# Altium PCB MB1297.PcbDoc (part 3 of 4)
Units mm, origin at the board's own origin, x right, y up, seen from the top; angles counter-clockwise.
Board outline 90.1 x 62.11 mm, 4 copper layers (Top Layer, GND, POWER+GND, Bottom Layer), stack 0.778 mm thick; 235 components, 175 nets, 1727 pads, 1 vias.
Unrouted connection lines stored in the file: 1.
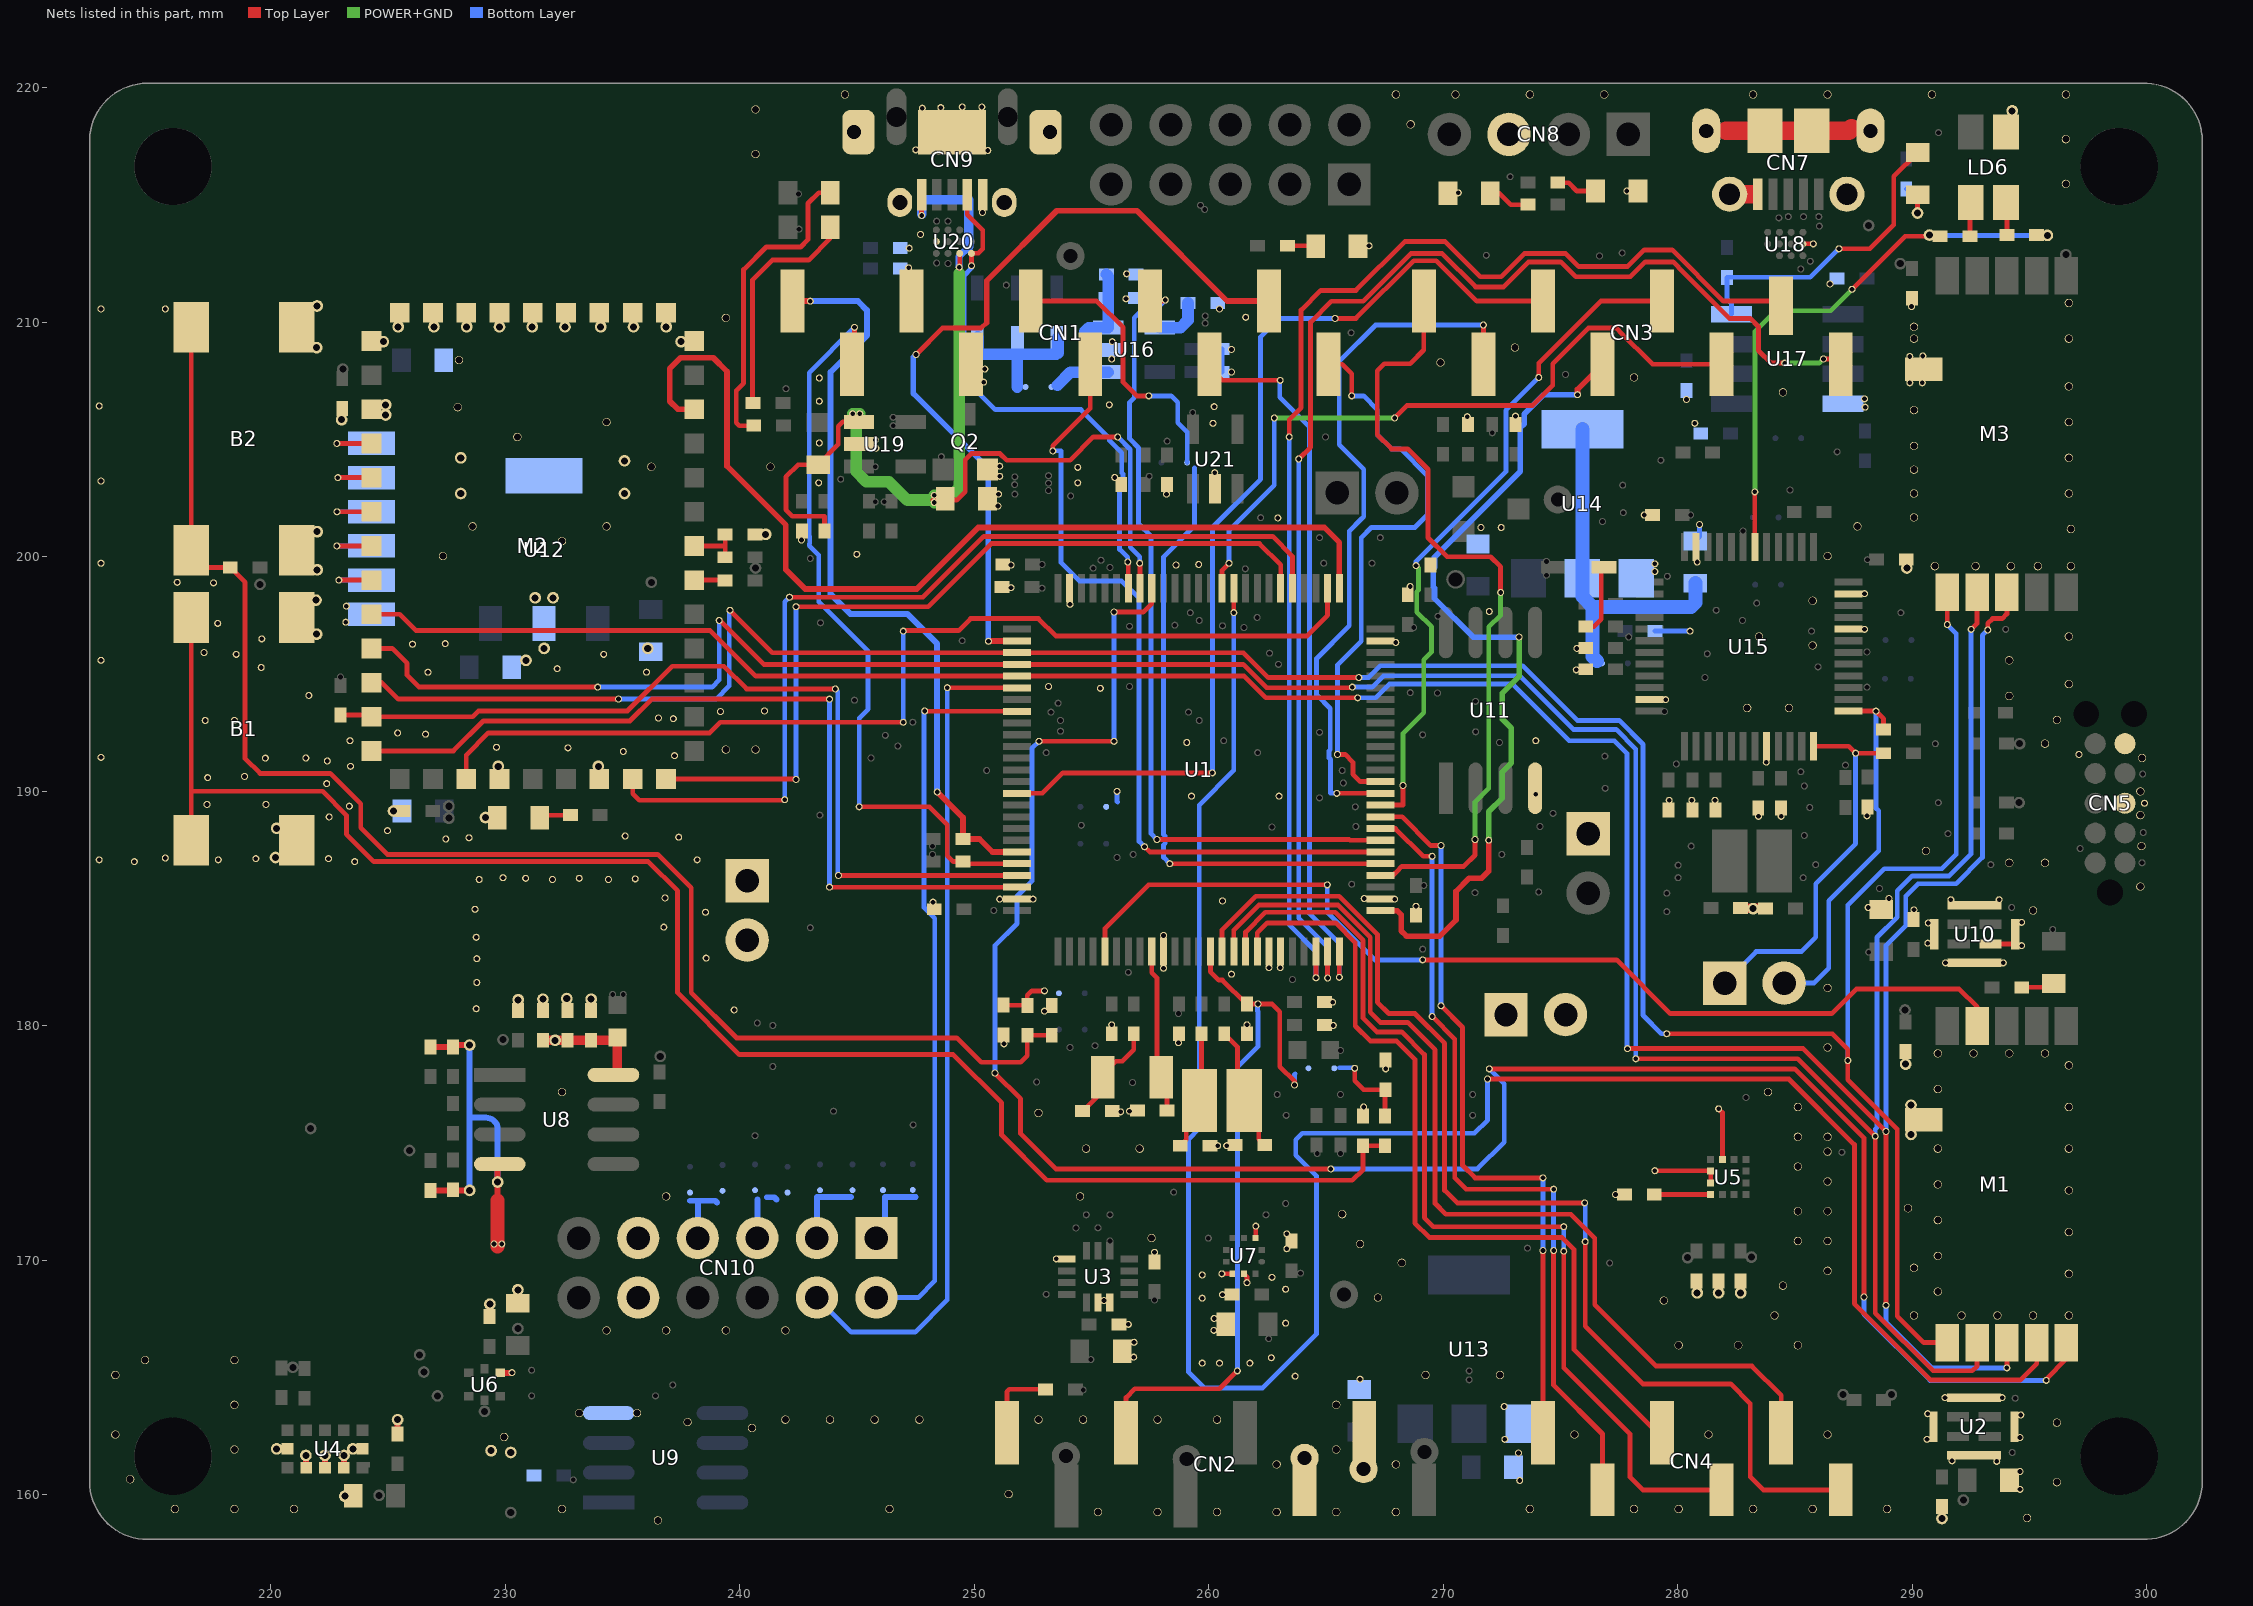
[diagram p5: the nets of this part, all layers, seen from the top]

## Via types
v1: diameter 0.4, hole 0.2, Top Layer to Bottom Layer, tented both sides, 1 vias

## Nets (pads, with @x,y where several pads share a name; then routed paths per layer and width w, separated by ;. In a path a pad name is that pad's centre, name@x,y a point inside that pad or via, vN(x,y) a via of type N, cw(c..) or ccw(c..) an arc to the next point about the centre after c; other vN are vias at no path point) (continued)
GND: B1.2 B2.2 C1.2 C2.2 C3.1 C4.2 C5.2 C6.1 C7.2 C8.1 C9.2 C10.2 C11.2 C12.2 C13.2 C14.2 C15.2 C16.2 C17.1 C18.2 C19.2 C20.2 C21.2 C22.2 C23.2 C24.2 C25.2 C26.2 C27.2 C28.2 C29.2 C30.2 C31.2 C32.2 C33.2 C34.2 C35.2 C36.2 C37.2 C38.2 C39.2 C40.2 C41.2 C42.2 C43.2 C44.2 C45.2 C46.2 C47.2 C48.2 C49.2 C50.2 C51.1 C52.1 C53.2 C54.2 C55.2 C56.2 C57.2 C58.2 C59.2 C60.2 C61.2 C62.2 C63.2 C64.2 C65.2 C66.2 C67.2 C68.2 C69.2 C71.2 C72.2 C73.2 C74.2 C75.2 C76.2 CN1.7 CN2.6 CN2.7 CN5.3 CN5.5 CN7.5 CN7.6 CN7.7 CN7.8 CN7.9 CN7.10 CN7.11 CN8.3 CN9.5 CN9.6 CN9.7 CN9.8 CN9.9 CN9.10 CN10.5 CN10.11 JP6.1 JP6.2 JP7.1 JP7.2 JP8.1 LD1.K LD2.K LD3.K LD5.K LD6.1 M1.6 M2.1 M2.3 M2.17 M2.20 M2.35 M2.36 M2.37 M2.38 M2.39 M2.40 M2.41 M2.42 M2.43 M2.44 M3.6 pad.0@212.75,210.566 pad.0@229.387,161.874 pad.1@215.494,210.566 pad.1@230.226,161.798 pad.2@212.674,187.071 pad.2@229.337,168.123 pad.2@230.53,168.732 pad.3@215.494,187.147 pad.3@229.146,188.874 pad.4@214.173,186.995 pad.5@212.75,191.44 pad.5@223.152,159.931 pad.5@279.476,193.904 pad.6@212.75,195.58 pad.6@223.215,197.891 pad.6@231.648,196.088 pad.6@287.96,198.425 pad.7@212.75,199.72 pad.7@223.19,197.206 pad.7@223.491,161.95 pad.7@231.267,198.247 pad.7@287.96,196.901 pad.8@212.75,203.225 pad.8@223.114,161.671 pad.8@232.029,198.247 pad.8@247.701,213.741 pad.8@283.769,191.237 pad.9@212.674,206.426 pad.9@222.301,161.671 pad.9@228.092,204.216 pad.10@217.551,198.882 pad.10@221.488,161.671 pad.10@228.092,202.692 pad.10@280.822,199.771 pad.11@216.002,198.907 pad.11@220.243,161.95 pad.11@235.077,204.089 pad.11@278.562,201.778 pad.12@217.729,197.155 pad.12@225.4,163.195 pad.12@235.077,202.692 pad.13@217.297,190.576 pad.14@218.872,190.627 pad.15@217.195,193.015 pad.15@275.692,196.088 pad.15@285.776,213.34 pad.16@218.44,193.015 pad.16@224.79,209.169 pad.16@275.666,195.174 pad.17@217.145,195.91 pad.17@225.425,209.804 pad.18@218.516,195.834 pad.18@226.949,209.804 pad.19@222.377,190.322 pad.19@228.346,209.804 pad.19@289.966,210.668 pad.20@223.342,189.357 pad.20@229.743,209.804 pad.21@217.754,187.071 pad.21@231.14,209.804 pad.22@219.354,187.122 pad.22@232.537,209.804 pad.23@217.272,189.433 pad.23@234.061,209.804 pad.24@219.786,189.433 pad.24@228.473,179.172 pad.24@235.458,209.804 pad.25@222.479,188.9 pad.25@228.473,172.974 pad.25@236.855,209.804 pad.26@222.453,187.122 pad.26@229.667,173.33 pad.26@237.49,209.169 pad.27@223.571,186.995 pad.27@230.543,181.102 pad.28@228.879,186.233 pad.28@231.597,181.127 pad.28@241.097,200.952 pad.29@228.752,180.721 pad.29@232.613,181.153 pad.29@247.218,213.157 pad.30@228.778,181.839 pad.30@233.655,181.127 pad.31@228.778,182.855 pad.32@228.752,183.769 pad.33@228.702,184.963 pad.34@229.895,186.309 pad.35@230.861,186.284 pad.36@232.004,186.233 pad.37@233.147,186.284 pad.37@260.553,169.418 pad.38@234.391,186.233 pad.38@261.62,169.037 pad.39@235.534,186.258 pad.39@291.262,158.979 pad.40@236.753,184.201 pad.41@236.804,185.445 pad.41@262.001,171.45 pad.42@224.968,188.316 pad.43@227.457,187.96 pad.43@260.579,168.529 pad.44@228.448,188.011 pad.44@260.223,167.513 pad.45@235.102,188.087 pad.45@260.21,167.005 pad.45@266.598,176.53 pad.45@299.898,189.484 pad.46@237.388,188.036 pad.46@267.538,178.156 pad.46@297.104,191.567 pad.47@238.176,187.071 pad.48@238.531,184.836 pad.48@264.083,161.568 pad.48@266.597,161.086 pad.49@238.557,182.88 pad.50@239.751,180.67 pad.50@256.807,166.497 pad.51@229.616,191.872 pad.51@256.794,165.862 pad.52@232.664,191.846 pad.52@256.565,167.259 pad.53@235.026,191.694 pad.54@237.211,191.516 pad.54@257.683,170.332 pad.55@236.525,193.116 pad.55@255.524,168.275 pad.55@256.083,189.992 pad.56@230.276,165.202 pad.56@237.16,193.091 pad.56@289.941,176.606 pad.57@229.845,170.688 pad.57@239.166,193.396 pad.57@253.492,170.053 pad.57@289.941,175.362 pad.58@229.514,170.688 pad.58@241.046,193.421 pad.58@289.712,178.359 pad.59@236.017,195.072 pad.59@266.827,213.258 pad.59@289.89,208.534 pad.60@232.207,195.224 pad.60@290.449,208.559 pad.61@234.188,195.834 pad.61@266.624,185.42 pad.61@289.89,207.416 pad.62@226.695,195.072 pad.62@267.919,185.395 pad.62@290.424,207.416 pad.63@227.432,196.291 pad.63@268.834,185.09 pad.63@280.365,206.705 pad.64@226.035,196.266 pad.64@256.489,212.065 pad.64@273.939,192.151 pad.64@280.721,205.689 pad.65@219.761,191.409 pad.65@256.464,210.998 pad.65@273.939,189.865 pad.65@287.96,206.731 pad.66 pad.67@221.615,194.081 pad.67@260.96,207.874 pad.68@219.583,195.275 pad.69@219.608,196.494 pad.69@262.56,182.474 pad.69@267.97,196.342 pad.70@222.402,191.287 pad.70@272.618,162.357 pad.70@280.822,168.605 pad.71@223.393,191.059 pad.71@272.593,163.754 pad.71@281.737,168.605 pad.72@223.368,192.151 pad.72@273.202,161.773 pad.72@282.677,168.605 pad.73@225.4,192.481 pad.73@273.253,160.604 pad.74@226.593,192.43 pad.74@272.466,201.244 pad.75@255.372,194.386 pad.75@271.602,201.244 pad.76@253.162,194.462 pad.76@288.112,185.039 pad.77@289.001,185.42 pad.78@290.068,184.937 pad.80@290.678,184.379 pad.81@289.763,199.517 pad.81@290.659,183.515 pad.82@247.777,219.126 pad.82@283.21,184.988 pad.82@291.643,185.369 pad.83@248.564,219.151 pad.83@293.7,185.369 pad.84@223.012,205.842 pad.84@250.317,219.177 pad.84@294.659,184.404 pad.85@224.892,206.477 pad.85@250.571,217.322 pad.85@294.659,183.413 pad.86@224.892,206.045 pad.86@247.498,217.348 pad.86@291.414,182.677 pad.87@249.479,219.177 pad.87@293.878,182.677 pad.88@230.873,195.58 pad.88@250.342,214.681 pad.89@236.068,196.088 pad.89@250.444,208.001 pad.89@291.389,164.135 pad.90@250.393,207.442 pad.90@293.827,164.135 pad.91@225.222,189.154 pad.91@279.019,173.812 pad.91@294.625,163.398 pad.92@229.692,191.059 pad.92@281.737,176.454 pad.92@294.589,162.433 pad.93@233.959,191.059 pad.93@251.257,179.222 pad.94@220.243,188.417 pad.94@252.984,180.619 pad.95@220.193,187.173 pad.95@290.652,163.449 pad.96 pad.97@221.945,196.698 pad.97@254.076,197.968 pad.97@291.694,161.442 pad.98 pad.99@221.971,199.441 pad.99@294.589,160.985 pad.100 pad.101@221.945,208.915 pad.101@266.446,164.922 pad.105@263.271,168.758 pad.106@263.271,167.31 pad.106@288.061,188.951 pad.107@262.687,169.266 pad.107@283.439,188.925 pad.107@294.259,219.011 pad.108@259.715,169.367 pad.108@284.404,188.925 pad.109@259.715,168.377 pad.109@281.584,189.611 pad.110@259.715,165.608 pad.110@280.594,189.611 pad.111@260.452,165.608 pad.111@279.629,189.611 pad.112@258.064,183.845 pad.112@261.747,165.608 pad.113@258.064,182.448 pad.113@262.661,165.837 pad.114 pad.115@260.96,182.194 pad.115@265.278,181 pad.116@260.579,185.318 pad.116@265.303,180.01 pad.117@262.992,189.789 pad.118 pad.119 pad.120 pad.121@255.854,180.035 pad.121@259.563,199.669 pad.122 pad.123 pad.124 pad.125 pad.126@260.172,205.689 pad.126@270.637,215.519 pad.127 pad.128@251.562,198.679 pad.128@261.569,210.21 pad.129@243.383,207.62 pad.130@243.383,206.629 pad.131@243.383,204.851 pad.132@243.357,203.149 pad.133@244.983,200.101 pad.136@251.079,185.395 pad.137@252.501,185.395 pad.142 pad.143@268.58,198.73 pad.149@277.343,172.796 pad.173 pad.175 pad.217 pad.218 pad.219 pad.222 pad.225 pad.226 pad.231 pad.232 pad.233 pad.234 pad.235 pad.236 pad.237 pad.249 pad.250 pad.251 pad.252 pad.253 pad.254 pad.255 pad.256 pad.257 pad.258 pad.259 pad.260 pad.261 pad.262 pad.263 pad.264 pad.265 pad.266 pad.267 pad.268 pad.269 pad.270 pad.271 pad.272 pad.273 pad.274 pad.275 pad.276 pad.277 pad.278 pad.279 pad.280 pad.281 pad.282 pad.283 pad.284 pad.285 pad.286 pad.287 pad.288 pad.289 pad.290 pad.291 pad.292 pad.293 pad.294 pad.295 pad.296 pad.297 pad.298 pad.299 pad.300 pad.301 pad.302 pad.303 pad.304 pad.305 pad.306 pad.307 pad.308 pad.309 pad.310 pad.311 pad.312 pad.313 pad.314 pad.315 pad.316 pad.317 pad.318 pad.319 pad.320 pad.321 pad.322 pad.327 pad.328 pad.329 pad.330 pad.331 pad.332 pad.333 pad.334 pad.335 pad.336 pad.337 pad.338 pad.339 pad.340 pad.341 pad.342 pad.343 pad.344 pad.345 pad.346 pad.347 pad.348 pad.349 pad.350 pad.351 pad.352 pad.353 pad.354 pad.355 pad.356 pad.357 pad.358 pad.359 pad.360 pad.361 pad.362 pad.363 pad.364 pad.365 pad.366 pad.367 pad.368 pad.369 pad.370 pad.371 pad.372 pad.373 pad.374 pad.375 pad.376 pad.377 pad.378 pad.379 pad.380 pad.381 pad.382 pad.383 pad.384 pad.385 pad.386 pad.387 pad.388 pad.389 pad.390 pad.391 pad.392 pad.393 pad.394 pad.395 pad.396 pad.397 pad.398 pad.399 pad.400 pad.401 pad.402 pad.403 pad.404 pad.405 pad.406 pad.407 pad.408 pad.409 pad.410 pad.411 pad.412 pad.413 pad.414 pad.415 pad.416 pad.417 pad.418 pad.420 pad.421 pad.422 pad.423 pad.424 pad.425 pad.426 pad.427 pad.428 pad.429 pad.430 pad.431 pad.432 pad.433 pad.434 Q2.2 R1.1 R27.2 R29.2 R31.2 R36.2 R38.1 R41.2 R46.1 R53.1 R54.2 R59.1 R64.2 SB13.1 TP6.1 U1.10 U1.19 U1.20 U1.27 U1.49 U1.74 U1.99 U2.5 U3.1 U3.6 U3.7 U4.2 U4.3 U4.4 U4.6 U4.12 U5.2 U5.3 U5.12 U6.5 U7.3 U7.8 U7.9 U8.4 U9.4 U10.2 U10.5 U11.4 U12.2 U13.1 U14.1 U15.8 U15.20 U15.23 U15.35 U15.47 U16.2 U17.4 U18.D2 U19.2 U20.D2 U21.2 | length 39.4
  Top Layer w0.2: U10.2@293.334,183.481 294.318,183.481 294.361,183.439 U10.5@294.361,183.481
  Top Layer w0.204: pad.37@260.553,169.418 U7.8@260.993,169.417 ; U7.9@261.493,169.417 261.62,169.29 pad.38@261.62,169.037 ; U7.3@261.993,170.943 pad.41@261.993,171.442 ; pad.91@279.019,173.812 281.397,173.812 U5.3@281.397,173.295 ; pad.92@281.737,176.454 281.897,176.293 U5.12@281.897,174.295 ; U18.D2@285.345,213.342 pad.15@285.713,213.342
  Top Layer w0.254: pad.11@220.243,161.95 U4.6@220.701,161.95 ; U4.4@221.488,161.163 pad.10@221.488,161.671 ; U4.3@222.301,161.15 pad.9@222.301,161.671 ; U4.2@223.114,161.163 pad.8@223.114,161.671 ; pad.7@223.491,161.95 U4.12@223.901,161.95 ; C22.2@225.4,162.585 pad.12@225.4,163.195 ; C72.2@226.797,172.974 pad.25@228.473,172.974 ; C69.2@226.797,179.095 C53.2@227.762,179.095 227.838,179.172 pad.24@228.473,179.172 ; pad.0@229.387,161.874 pad.0@229.393,161.869 ; 229.667,172.542 pad.26@229.667,173.33 229.667,173.875 cw(c229.973,173.875) U8.4@229.756,174.092 ; U6.5@229.783,165.194 230.268,165.194 pad.56@230.276,165.202
  Top Layer w0.4: C52.1@282.677,185.014 283.718,185.014 C51.1@283.743,184.988
  Top Layer w0.6: 229.667,170.586 229.667,172.542
  Top Layer w0.8: 282.067,218.161 287.299,218.161 287.401,218.262 ; CN7.7@282.209,215.458 283.159,215.458
  Bottom Layer w0.204: pad.55@256.083,189.992 256.083,189.56 256.108,189.535 ; C55.2@260.553,207.874 C59.2@260.553,208.864 ; C42.2@279.019,196.825 pad.222@280.518,196.825 ; C41.2@280.746,200.673 280.924,200.85 pad.217@280.924,201.371
  Bottom Layer w0.254: pad.25@228.473,172.974 228.473,176.073 ; pad.24@228.473,179.172 228.473,176.073 ; pad.26@229.667,173.33 229.667,175.614 ccw(c229.233,175.614) 229.54,175.92 ccw(c229.172,175.552) 229.172,176.073 228.473,176.073
LDO_3V3: C41.1 SB4.1 U14.2 U14.4 | length 15.4
  Bottom Layer w0.6: U14.4@275.924,205.435 U14.2@275.924,199.085 275.924,198.294 276.36,197.858 ; 276.555,195.555 276.36,195.75 276.36,197.858 ; C41.1@280.746,198.869 280.746,198.044 280.561,197.858 276.36,197.858
LED_STLINK: pad.18@283.282,202.764 pad.110@290.728,213.716 pad.111@295.758,213.703 pad.238 R44.1 R47.1 U15.30 | length 23.3
  Top Layer w0.204: U15.30@283.282,200.414 pad.18@283.282,202.764 ; pad.238@287.426,211.404 289.69,213.668 290.681,213.668 pad.110@290.728,213.716
  POWER+GND w0.204: pad.18@283.286,202.819 283.286,209.601 284.175,210.49 286.512,210.49 pad.238@287.426,211.404
  Bottom Layer w0.204: pad.110@290.728,213.716 290.741,213.703 pad.111@295.758,213.703
NetB1_1: B1.1 C35.1 R19.2 | length 73.2
  Top Layer w0.204: B1.1@216.596,187.909 216.596,189.992 ; B1.1@217.257,198.069 B1.1@216.596,197.409 216.596,189.992 ; R19.2@267.513,174.879 C35.1@266.573,174.879 266.573,173.863 266.116,173.406 253.086,173.406 251.155,175.336 251.155,176.708 249.098,178.765 239.979,178.765 237.338,181.407 237.338,185.75 236.093,186.995 224.384,186.995 223.215,188.163 223.215,188.976 222.199,189.992 216.596,189.992
NetB2_1: B2.1 C37.1 R23.1 R24.2 | length 63.9
  Top Layer w0.204: B2.1@216.596,209.779 B2.1@216.596,200.279 217.333,199.542 R23.1@218.262,199.542 218.897,198.907 218.897,191.389 219.532,190.754 222.529,190.754 223.825,189.459 223.825,188.443 224.967,187.301 236.498,187.301 237.922,185.877 237.922,181.407 239.852,179.476 249.25,179.476 250.292,178.435 251.968,178.435 252.256,178.723 R24.2@252.256,179.592 C37.1@253.298,179.592
NetC2_1: C2.1 R5.2 X1.2 | length 5.3
  Top Layer w0.204: C2.1@258.775,174.879 259.029,175.133 259.029,176.235 X1.2@259.603,176.809 ; X1.2@259.324,176.784 259.69,177.15 R5.2@259.69,179.654
NetC3_2: C3.2 CN2.3 pad.35@261.214,165.278 pad.36@262.09,180.924 pad.43@263.652,177.47 SB2.1 U1.14 | length 31.1
  Top Layer w0.204: CN2.3@256.465,162.642 256.465,164.136 256.845,164.516 260.452,164.516 pad.35@261.214,165.278 ; U1.14@260.063,183.156 260.063,182.304 260.425,181.941 260.578,181.941 261.596,180.924 C3.2@261.62,180.924 pad.36@262.09,180.924 262.56,180.924 262.687,180.924 263.018,180.593 263.018,178.256 263.652,177.622 pad.43@263.652,177.47
  Bottom Layer w0.204: pad.35@261.214,165.278 261.214,178.232 262.09,179.108 262.09,180.603 262.075,180.618 262.075,180.909 pad.36@262.09,180.924 ; pad.43@263.652,177.47 263.652,177.927 263.677,177.952
NetC4_1: C4.1 R7.2 X1.1 | length 5.4
  Top Layer w0.204: R7.2@260.655,179.654 261.224,179.085 X1.1@261.224,176.784 ; X1.1@261.503,176.809 262.128,176.185 262.128,175.158 C4.1@262.382,174.904
NetC14_1: C14.1 R12.2 X2.1 | length 4.4
  Top Layer w0.204: C14.1@254.61,176.352 255.468,177.21 X2.1@255.468,177.8 255.468,177.922 256.032,178.486 256.311,178.486 256.794,178.968 R12.2@256.794,179.654
NetC15_1: C15.1 U1.9 X2.2 | length 7
  Top Layer w0.204: U1.9@257.563,183.156 257.563,182.264 257.785,182.042 257.785,179.68 257.785,177.983 X2.2@257.968,177.8 258.216,177.551 C15.1@258.216,176.378
NetC23_1: C23.1 U5.4 | length 2.4
  Top Layer w0.204: C23.1@278.995,172.795 U5.4@281.397,172.795
NetC32_1: C32.1 C67.1 C68.1 L2.1 pad.31@232.118,179.375 U8.8 | length 4.6
  Top Layer w0.4: C67.1@231.597,179.375 C68.1@232.639,179.375 C32.1@233.655,179.375 234.658,179.375 L2.1@234.772,179.489 U8.8@234.772,178.067
NetC34_1: C34.1 pad.44@266.217,178.181 R19.1 SB2.2 | length 3.8
  Top Layer w0.204: pad.44@266.217,178.181 266.217,177.648 266.598,177.267 C34.1@267.538,177.267 267.513,177.241 R19.1@267.513,176.149
  Bottom Layer w0.204: 265.557,178.206 266.192,178.206 pad.44@266.217,178.181
NetC36_1: C36.1 pad.47@252.984,181.483 R24.1 SB3.2 | length 2.3
  Top Layer w0.204: C36.1@251.231,180.873 252.245,180.873 R24.1@252.256,180.862 252.256,181.289 252.451,181.483 pad.47@252.984,181.483
NetC56_1: C56.1 C57.1 SB10.1 U16.1 U16.3 | length 7.5
  Bottom Layer w0.5: 253.543,207.315 254.095,207.867 254.711,207.867 ; C56.1@255.626,212.039 255.712,211.953 U16.3@255.712,209.767 254.877,209.767 254.71,209.6 254.71,208.37 254.711,208.369 254.711,207.867 ; U16.1@255.712,207.867 254.711,207.867
NetC58_1: C58.1 U16.4 | length 2.1
  Bottom Layer w0.5: U16.4@257.912,209.767 258.789,209.767 259.105,210.083 C58.1@259.105,210.82
NetC66_1: C66.1 CN9.1 pad.0@247.747,214.554 pad.4@249.352,212.344 pad.20@245.11,206.096 pad.21@248.285,202.616 pad.22@248.285,202.311 pad.126@244.805,206.096 pad.179 pad.181 R57.1 R61.2 U1.68 U19.1 U20.B3 | length 49.7
  Top Layer w0.2: pad.4@249.373,212.289 U20.B3@249.373,212.936
  Top Layer w0.204: R57.1@243.606,201.092 243.606,201.727 242.24,201.727 241.96,202.006 241.96,203.403 242.481,203.924 R61.2@243.332,203.924 244.196,204.787 244.196,205.562 244.384,205.75 U19.1@245.077,205.75 ; pad.0@247.747,214.605 CN9.1@247.747,215.433 ; pad.22@248.234,202.413 249.25,202.413 249.606,202.768 249.606,204.14 249.865,204.399 251.09,204.399 251.375,204.114 254.076,204.114 255.067,205.105 pad.181@256.108,205.105 ; pad.179@257.048,199.72 257.063,199.706 U1.68@257.063,198.656
  POWER+GND w0.5: pad.126@244.805,206.096 pad.20@245.11,206.096 244.958,205.943 244.958,203.632 245.389,203.2 246.354,203.2 247.142,202.413 pad.22@248.285,202.413 ; pad.22@248.285,202.311 pad.22@248.285,202.413 ; pad.21@248.285,202.616 pad.22@248.285,202.413 ; 249.352,212.087 249.352,202.946 248.818,202.413 pad.22@248.285,202.413
  Bottom Layer w0.204: pad.181@256.108,205.105 256.643,204.57 256.643,203.208 256.642,203.206 256.642,200.406 257.048,200 pad.179@257.048,199.72
  Bottom Layer w0.3: pad.4@249.343,212.344 249.343,212.795 249.758,213.21
  Bottom Layer w0.4: pad.0@247.747,214.605 247.747,215.214 249.758,215.214 249.758,213.21
NetCN1_1: CN1.1 pad.58@266.09,206.858 pad.141@265.481,191.567 U1.37 | length 24.5
  Top Layer w0.204: CN1.1@265.101,208.202 265.686,208.202 266.09,207.797 pad.58@266.09,206.858 ; pad.141@265.481,191.567 265.811,191.567 266.141,191.237 266.141,190.729 266.463,190.406 U1.37@267.313,190.406
  Bottom Layer w0.204: pad.141@265.481,191.567 265.481,195.377 266.497,196.393 266.497,200.812 266.929,201.244 268.783,201.244 269.316,201.778 269.316,203.454 268.173,204.597 267.792,204.597 267.183,205.207 267.183,206.273 266.598,206.858 pad.58@266.09,206.858
NetCN1_2: CN1.2 pad.27@247.51,208.623 pad.95@250.596,196.393 U1.77 | length 35.1
  Top Layer w0.204: pad.27@247.51,208.623 248.643,209.756 250.294,209.756 250.52,209.982
  Top Layer w0.24: 250.52,209.982 250.52,211.76 253.513,214.753 256.925,214.753 260.776,210.902 CN1.2@262.561,210.902 ; pad.95@250.596,196.393 250.61,196.406 U1.77@251.813,196.406
  Bottom Layer w0.24: pad.27@247.51,208.623 247.396,208.509 247.396,206.959 250.596,203.759 pad.95@250.596,196.393
NetCN1_3: CN1.3 pad.23@263.041,207.52 pad.72@265.563,182.062 U1.25 | length 30.9
  Top Layer w0.204: CN1.3@260.021,208.076 260.577,207.52 pad.23@263.041,207.52 ; pad.72@265.563,182.062 U1.25@265.563,183.156
  Bottom Layer w0.204: pad.23@263.041,207.52 263.017,207.496 263.017,206.807 264.287,205.537 264.287,184.785 265.563,183.509 pad.72@265.563,182.062
NetCN1_4: CN1.4 pad.63@258.14,210.947 pad.83@257.785,187.936 U1.32 | length 34.7
  Top Layer w0.204: CN1.4@257.481,210.902 258.095,210.902 pad.63@258.14,210.947 ; pad.83@257.785,187.936 265.982,187.936 266.011,187.906 U1.32@267.313,187.906
  Bottom Layer w0.204: pad.83@257.785,187.936 257.531,188.19 257.531,200.863 256.997,201.397 256.997,204.649 256.616,205.03 256.616,206.578 256.819,206.781 256.819,210.185 257.051,210.417 257.61,210.417 pad.63@258.14,210.947
NetCN1_5: CN1.5 pad.38@253.344,204.509 pad.73@257.251,187.63 U1.31 | length 34.3
  Top Layer w0.204: pad.38@253.344,204.509 253.344,204.728 254.941,206.325 CN1.5@254.941,208.202 ; pad.73@257.251,187.63 257.475,187.406 U1.31@267.313,187.406
  Bottom Layer w0.204: pad.38@253.344,204.509 253.695,204.521 253.695,199.746 254.483,198.958 256.286,198.958 257.023,198.222 257.023,187.858 pad.73@257.251,187.63
NetCN1_6: CN1.6 pad.84@258.33,186.906 pad.171 SB1.1 U1.30 | length 38.7
  Top Layer w0.204: CN1.6@252.401,210.902 255.213,210.902 256.337,209.779 256.337,207.442 256.921,206.858 pad.171@257.438,206.858 ; pad.84@258.33,186.906 U1.30@267.313,186.906
  Bottom Layer w0.204: pad.171@257.438,206.858 258.394,206.858 258.674,206.578 258.674,205.715 259.072,205.316 SB1.1@259.072,204.013 ; pad.84@258.33,186.906 258.064,187.173 258.064,187.715 258.139,187.789 258.139,188.082 258.064,188.157 258.064,200 259.385,201.32 259.385,203.784
NetCN1_8: CN1.8 pad.28@247.193,212.319 R2.1
NetCN1_9: CN1.9 pad.108@245.085,189.332 pad.110@244.881,209.779 R8.2 U1.96 | length 32.6
  Top Layer w0.204: CN1.9@244.781,208.202 244.881,208.303 pad.110@244.881,209.779 ; pad.108@245.085,189.332 248.082,189.332 248.844,188.57 248.844,187.249 249.098,186.995 R8.2@249.504,186.995 ; R8.2@249.592,186.906 U1.96@251.813,186.906
  Top Layer w0.254: R8.2@249.504,186.995 R8.2@249.592,186.906
  Bottom Layer w0.204: pad.110@244.881,209.779 242.951,207.848 242.951,200.881 242.975,200.857 242.975,200.564 242.951,200.54 242.951,200.475 243.356,200.07 243.356,198.071 245.466,195.961 245.466,193.497 245.085,193.116 pad.108@245.085,189.332
NetCN1_10: CN1.10 pad.109@248.412,189.967 pad.111@243.002,210.896 R9.2 U1.95 | length 32.8
  Top Layer w0.254: CN1.10@242.241,210.902 242.996,210.902 pad.111@243.002,210.896 ; pad.109@248.412,189.967 249.504,188.874 R9.2@249.504,187.96 250.215,187.96 250.769,187.406 U1.95@251.813,187.406
  Bottom Layer w0.254: pad.111@243.002,210.896 245.034,210.896 245.415,210.515 245.415,209.423 243.865,207.874 243.865,198.399 244.704,197.561 247.142,197.561 248.412,196.291 pad.109@248.412,189.967
NetCN2_1: CN2.1 R3.2 | length 3.4
  Top Layer w0.204: CN2.1@251.385,162.642 251.385,164.39 251.485,164.49 R3.2@253.035,164.49
NetCN3_1: CN3.1 pad.25@263.83,204.165 pad.67@284.556,208.255 pad.69@286.207,208.432 pad.71@265.063,182.03 U1.24 | length 57.4
  Top Layer w0.204: pad.25@263.83,204.165 264.338,204.673 264.338,210.007 265.227,210.896 266.573,210.896 268.605,212.928 269.951,212.928 271.374,211.506 272.567,211.506 273.634,212.573 275.005,212.573 275.64,211.938 277.978,211.938 278.613,212.573 279.803,212.573 280.039,212.336 280.039,212.315 282.194,210.16 283.083,210.16 283.439,209.804 283.439,208.788 283.972,208.255 pad.67@284.556,208.255 ; pad.71@265.063,182.03 U1.24@265.063,183.156 ; pad.69@286.207,208.432 CN3.1@286.714,208.432
  POWER+GND w0.204: pad.67@284.556,208.255 286.029,208.255 pad.69@286.207,208.432
  Bottom Layer w0.204: pad.25@263.83,204.165 263.83,184.582 265.063,183.349 pad.71@265.063,182.03
NetCN3_2: CN3.2 pad.24@263.423,205.105 pad.70@264.566,182.042 U1.23 | length 54.4
  Top Layer w0.204: pad.24@263.423,205.105 263.423,205.842 263.931,206.35 263.931,210.515 264.77,211.353 266.268,211.353 268.351,213.436 270.078,213.436 271.577,211.938 272.466,211.938 273.456,212.928 275.209,212.928 275.768,212.369 277.851,212.369 278.562,213.081 279.756,213.081 281.934,210.902 CN3.2@284.405,210.902 ; U1.23@264.563,183.156 264.563,182.046 pad.70@264.566,182.042
  Bottom Layer w0.204: pad.24@263.423,205.105 263.423,184.302 264.566,183.159 pad.70@264.566,182.042
NetCN3_3: CN3.3 pad.202 pad.203 pad.204 U1.61 | length 30
  Top Layer w0.204: U1.61@260.563,198.656 260.563,199.425 pad.202@260.858,199.72 ; pad.204@267.919,205.918 268.453,206.451 273.812,206.451 274.663,207.303 274.663,208.229 276.19,209.756 277.379,209.756 277.499,209.636 277.499,209.622 278.919,208.202 CN3.3@281.865,208.202
  POWER+GND w0.204: pad.203@262.788,205.918 pad.204@267.919,205.918
  Bottom Layer w0.204: pad.202@260.858,199.72 260.858,201.117 262.788,203.048 pad.203@262.788,205.918
NetCN3_4: CN3.4 pad.224 pad.229 pad.230 U1.35 | length 29.2
  Top Layer w0.204: U1.35@267.313,189.406 268.276,189.406 pad.229@268.276,190.245 ; pad.224@274.066,207.645 274.066,208.255 276.713,210.902 CN3.4@279.325,210.902
  POWER+GND w0.204: pad.229@268.276,190.245 268.276,192.457 269.164,193.345 269.164,195.605 269.494,195.936 269.494,197.002 268.859,197.637 268.859,198.508 268.934,198.583 268.934,199.519 pad.230@268.834,199.619
  Bottom Layer w0.204: pad.230@268.834,199.593 pad.230@268.834,199.619 268.834,199.796 272.669,203.632 272.669,206.248 pad.224@274.066,207.645
NetCN3_5: CN3.5 pad.52@271.932,187.909 pad.223 pad.228 U1.26 | length 36.3
  Top Layer w0.24: U1.26@267.313,184.906 268.026,184.906 268.199,184.734 268.199,184.048 268.427,183.82 269.85,183.82 270.535,184.506 270.535,185.725 271.094,186.284 271.628,186.284 271.932,186.588 pad.52@271.932,187.909 ; pad.223@275.717,206.908 275.717,207.134 CN3.5@276.785,208.202
  POWER+GND w0.24: pad.52@271.932,187.909 271.932,189.128 272.517,189.713 272.517,190.83 272.898,191.211 272.898,192.684 272.517,193.065 272.517,194.183 273.228,194.894 pad.228@273.228,196.571
  Bottom Layer w0.24: pad.228@273.228,196.571 271.272,196.571 269.621,198.222 269.621,198.66 269.57,198.711 269.57,199.485 269.621,199.536 269.621,199.974 273.279,203.632 273.279,205.502 273.447,205.671 273.447,206.087 274.269,206.908 pad.223@275.717,206.908
NetCN3_6: CN3.6 pad.65@260.147,190.779 pad.75@265.379,210.16 U1.90 | length 42.2
  Top Layer w0.204: U1.90@251.813,189.906 252.898,189.906 253.771,190.779 pad.65@260.147,190.779 ; pad.75@265.379,210.16 266.269,210.16 268.732,212.622 269.698,212.622 271.419,210.902 CN3.6@274.245,210.902
  Bottom Layer w0.204: pad.65@260.147,190.779 260.147,201.244 262.204,203.302 262.204,209.372 262.992,210.16 pad.75@265.379,210.16
NetCN3_7: CN3.7 pad.57@271.704,209.88 pad.140@265.455,189.906 U1.36 | length 30.6
  Top Layer w0.204: pad.140@265.455,189.906 U1.36@267.313,189.906 ; pad.57@271.704,209.88 pad.57@271.704,209.88 CN3.7@271.705,208.202
  Bottom Layer w0.204: pad.140@265.455,189.906 265.185,189.906 265.185,191.362 265.127,191.42 265.127,191.713 265.175,191.761 265.175,193.525 264.593,194.107 264.593,195.657 265.989,197.053 265.989,201.092 266.485,201.588 ; 266.486,201.588 266.606,201.708 266.606,203.727 265.557,204.776 265.557,208.331 267.106,209.88 pad.57@271.704,209.88
NetCN3_8: CN3.8 pad.54@271.348,187.935 pad.55@272.44,198.476 U1.29 | length 33.6
  Top Layer w0.204: U1.29@267.313,186.406 267.851,186.406 268.117,186.672 268.117,186.684 268.224,186.792 270.866,186.792 271.348,187.274 pad.54@271.348,187.935 ; CN3.8@269.165,210.902 269.165,208.814 268.58,208.229 267.487,208.229 267.183,207.924 267.183,205.207 267.792,204.597 268.478,204.597 269.343,203.732 269.343,200.811 270.154,200 272.009,200 272.44,199.568 pad.55@272.44,198.476
  POWER+GND w0.204: pad.54@271.348,187.935 271.348,189.535 271.932,190.119 271.932,197.002 272.44,197.51 pad.55@272.44,198.476
NetCN4_1: CN4.1 pad.77@274.245,170.409 pad.81@274.245,173.506 pad.88@269.9,187.681 pad.90@269.9,180.848 U1.34 | length 31.6
  Top Layer w0.204: U1.34@267.313,188.906 268.243,188.906 269.469,187.681 pad.88@269.9,187.681 ; pad.90@269.9,180.848 270.815,179.934 270.815,174.041 271.349,173.506 pad.81@274.245,173.506 ; CN4.1@274.245,162.642 pad.77@274.245,170.409
  Bottom Layer w0.204: pad.90@269.9,180.924 pad.88@269.9,187.681 ; pad.81@274.245,173.506 pad.81@274.245,173.506 pad.77@274.245,170.409
NetCN4_2: CN4.2 pad.78@274.701,170.409 pad.82@274.701,173.025 pad.87@269.519,187.223 pad.89@269.519,180.391 U1.33 | length 34.9
  Top Layer w0.204: U1.33@267.313,188.406 267.955,188.406 269.138,187.223 pad.87@269.519,187.223 ; pad.89@269.519,180.391 270.485,179.426 270.485,173.507 270.967,173.025 pad.82@274.701,173.025 ; pad.78@274.701,170.409 274.701,164.668 276.785,162.584 CN4.2@276.785,160.202
  Bottom Layer w0.204: pad.89@269.519,180.391 pad.87@269.519,187.223 ; pad.78@274.701,170.409 pad.82@274.701,173.025 pad.82@274.726,173.025
NetCN4_3: CN4.3 U1.18 | length 35.9
  Top Layer w0.204: U1.18@262.063,183.156 262.063,183.958 262.484,184.379 265.405,184.379 266.243,183.54 266.243,179.984 266.878,179.349 267.995,179.349 268.783,178.562 268.783,171.577 269.392,170.967 275.057,170.967 275.565,170.459 275.565,166.192 279.115,162.642 CN4.3@279.325,162.642
NetCN4_4: CN4.4 pad.75@275.133,171.425 pad.76@275.133,170.383 U1.17 | length 42.3
  Top Layer w0.204: U1.17@261.563,183.156 261.563,183.991 262.406,184.835 265.381,184.835 266.573,183.643 266.573,180.315 267.157,179.73 268.224,179.73 269.189,178.765 269.189,171.806 269.57,171.425 pad.75@275.133,171.425 ; pad.76@275.133,170.383 275.133,165.405 277.952,162.585 277.952,160.757 278.507,160.202 CN4.4@281.865,160.202
  Bottom Layer w0.204: pad.76@275.133,170.383 pad.75@275.133,171.425
NetCN4_5: CN4.5 U1.16 | length 42.3
  Top Layer w0.204: U1.16@261.063,183.156 261.063,184.075 262.128,185.141 265.508,185.141 266.879,183.77 266.879,180.567 267.31,180.137 268.478,180.137 269.646,178.968 269.646,172.415 270.104,171.958 275.438,171.958 276.454,170.942 276.454,168.097 279.07,165.481 283.159,165.481 284.405,164.235 CN4.5@284.405,162.642
NetCN4_6: CN4.6 pad.79@276.047,170.79 pad.80@276.022,172.441 U1.15 | length 48.7
  Top Layer w0.204: U1.15@260.563,183.156 260.563,184.083 262.001,185.522 265.56,185.522 267.185,183.896 267.185,180.998 267.665,180.518 268.783,180.518 270.053,179.248 270.053,172.974 270.586,172.441 pad.80@276.022,172.441 ; pad.79@276.047,170.79 276.047,167.183 278.511,164.719 282.245,164.719 283.083,163.881 283.083,160.757 283.638,160.202 CN4.6@286.945,160.202
  Bottom Layer w0.204: pad.80@276.022,172.441 276.047,172.415 pad.79@276.047,170.79
NetCN6_1: CN6.1 pad.102@287.579,191.618 R42.1 U15.12 | length 16.4
  Top Layer w0.204: U15.12@285.782,191.914 287.282,191.914 pad.102@287.579,191.618 R42.1@288.773,191.618
  Bottom Layer w0.204: CN6.1@281.991,181.813 283.337,183.159 285.267,183.159 285.877,183.769 285.877,186.055 287.579,187.757 pad.102@287.579,191.618
NetCN6_2: CN6.2 pad.103@288.449,193.414 R43.1 U15.13 | length 16.1
  Top Layer w0.204: U15.13@287.282,193.414 pad.103@288.449,193.414 288.773,193.091 R43.1@288.773,192.634
  Bottom Layer w0.204: CN6.2@284.531,181.813 285.801,181.813 286.436,182.448 286.436,185.318 288.566,187.449 288.566,189.164 288.449,189.281 pad.103@288.449,193.414
NetCN9_4: CN9.4 pad.5@249.873,212.407 pad.180 U1.69 U20.A3 | length 22.7
  Top Layer w0.204: CN9.4@249.697,215.433 249.697,214.59 250.358,213.929 250.358,213.125 250.169,212.936 U20.A3@249.873,212.936 pad.5@249.873,212.407 ; pad.180@256.54,199.771 256.563,199.748 U1.69@256.563,198.656
  Bottom Layer w0.204: pad.5@249.873,212.407 249.873,212.307 249.555,211.988 249.555,207.602 250.884,206.273 254.541,206.273 255.754,205.06 255.754,204.958 256.286,204.427 256.286,203.574 256.335,203.524 256.335,203.231 256.191,203.087 256.191,200.298 256.209,200.298 256.54,199.967 pad.180@256.54,199.771
NetCN10_1: CN10.1 SB14.1 SB19.1 | length 3.2
  Bottom Layer w0.254: CN10.1@245.821,170.942 246.177,171.298 246.177,172.695 247.498,172.695
NetCN10_2: CN10.2 SB12.1 SB15.1 | length 3.8
  Bottom Layer w0.254: CN10.2@242.849,171.374 CN10.2@243.281,170.942 243.281,172.695 244.729,172.695
NetCN10_3: CN10.3 SB18.1 SB20.2 | length 2.1
  Bottom Layer w0.254: CN10.3@240.741,170.942 240.741,172.593 ; 241.143,172.682 241.465,172.682 241.554,172.593
NetCN10_4: CN10.4 SB16.1 SB21.2 | length 2.7
  Bottom Layer w0.254: 237.871,172.532 238.948,172.532 239.014,172.466 ; CN10.4@238.201,170.942 238.201,172.466
NetCN10_7: CN10.7 pad.143@247.879,193.421 U1.83 | length 31.2
  Top Layer w0.204: pad.143@247.864,193.406 U1.83@251.813,193.406
  Bottom Layer w0.204: CN10.7@245.821,168.402 247.599,168.402 248.31,169.113 248.31,184.582 247.853,185.039 247.853,193.396 pad.143@247.879,193.421
NetCN10_8: CN10.8 pad.144@248.844,194.412 U1.81 | length 35.8
  Top Layer w0.204: pad.144@248.844,194.412 248.849,194.406 U1.81@251.813,194.406
  Bottom Layer w0.204: CN10.8@243.281,168.402 244.754,166.929 247.472,166.929 248.844,168.3 pad.144@248.844,194.412
NetD2_2: D2.2 R28.1 | length 3
  Top Layer w0.204: R28.1@276.073,197.028 276.428,197.028 276.733,197.333 276.733,199.43 D2.2@276.845,199.542
NetD3_2: D3.2 D4.2 D5.2 SB10.2 | length 6.2
  Bottom Layer w0.5: D4.2@250.139,209.369 250.139,208.636 253.492,208.636 253.568,208.712 ; 251.825,207.239 251.825,208.594 ; 253.568,208.686 D3.2@253.568,209.344
NetLD1_A: LD1.A R18.2 | length 1.8
  Top Layer w0.204: LD1.A@271.996,215.494 272.39,215.494 272.872,215.011 R18.2@273.609,215.011
NetLD2_A: LD2.A R20.2 | length 1.8
  Top Layer w0.204: R20.2@274.879,215.951 275.336,215.951 275.692,215.595 LD2.A@276.492,215.595
NetLD3_A: LD3.A R21.2 | length 1.4
  Top Layer w0.204: LD3.A@231.457,188.874 231.559,188.976 R21.2@232.766,188.976
NetLD4_K: LD4.K R22.2 | length 1.4
  Top Layer w0.204: R22.2@294.665,181.635 295.872,181.635 LD4.K@296.037,181.8
NetLD5_A: LD5.A R25.2 | length 1.2
  Top Layer w0.204: R25.2@263.347,213.258 264.528,213.258 LD5.A@264.554,213.233
NetLD6_2: LD6.2 R44.2 | length 1.4
  Top Layer w0.204: LD6.2@293.993,215.111 294.03,215.074 R44.2@294.03,213.716
NetLD6_3: LD6.3 R47.2 | length 1.5
  Top Layer w0.204: R47.2@292.456,213.665 292.456,215.074 LD6.3@292.493,215.111
NetLD7_A: LD7.A pad.1@290.22,214.655 R52.1 | length 2
  Top Layer w0.204: pad.1@290.22,214.655 LD7.A@290.22,215.43
  Bottom Layer w0.204: R52.1@289.738,215.684 290.22,215.201 pad.1@290.22,214.655
NetLD7_K: LD7.K pad.74@286.868,213.131 R49.1 U17.8 | length 13.2
  Top Layer w0.204: pad.74@286.868,213.131 288.188,213.131 289.204,214.147 289.204,216.218 LD7.K@290.22,217.233
  Bottom Layer w0.204: U17.8@282.283,210.337 282.283,210.807 282.092,210.998 R49.1@282.092,211.912 285.648,211.912 pad.74@286.868,213.131
NetLD8_K: LD8.K R56.2 | length 9.8
  Top Layer w0.204: R56.2@240.563,206.553 240.538,206.578 240.538,211.811 241.375,212.647 242.924,212.647 243.853,213.576 LD8.K@243.853,214.046
NetLD9_K: LD9.K R55.2 | length 13.4
  Top Layer w0.204: R55.2@240.589,205.588 239.979,205.588 239.846,205.721 239.846,207.086 240.157,207.397 240.157,212.242 241.122,213.207 242.595,213.207 242.9,213.512 242.9,215.062 243.357,215.519 LD9.K@243.853,215.519
NetM1_4: M1.4 pad.85@265.049,186.004 pad.92@269.113,182.804 U1.5 | length 43.5
  Top Layer w0.204: U1.5@255.563,183.156 255.563,184.138 257.429,186.004 pad.85@265.049,186.004 ; pad.92@269.113,182.804 277.393,182.804 279.684,180.513 286.558,180.513 287.604,181.559 291.998,181.559 292.76,180.797 M1.4@292.76,179.984
  Bottom Layer w0.204: pad.85@265.049,186.004 265.049,184.836 267.081,182.804 pad.92@269.113,182.804
NetM1_7: M1.7 M2.11 M3.7 pad.42@279.527,179.654 pad.137@266.395,194.843 pad.150@239.573,197.714 pad.154 pad.160 pad.169 U1.78 | length 120
  Top Layer w0.204: M2.11@224.285,194.629 224.725,194.629 225.425,193.929 pad.154@234.823,193.929 ; pad.150@239.573,197.714 241.38,195.906 U1.78@251.813,195.906 261.471,195.906 262.534,194.843 pad.137@266.395,194.843 ; pad.42@279.527,179.654 286.588,179.654 287.249,178.994 pad.169@287.249,178.511 287.249,177.698 289.357,175.59 289.357,167.615 290.487,166.484 M1.7@291.49,166.484 ; pad.160@291.49,197.104 M3.7@291.49,198.488
  Bottom Layer w0.204: pad.154@234.823,193.929 238.989,193.929 239.547,194.488 239.547,197.688 pad.150@239.573,197.714 ; pad.137@266.395,194.843 266.802,194.843 267.31,195.351 273.38,195.351 275.717,193.015 277.495,193.015 278.512,191.997 278.512,180.442 279.3,179.654 pad.42@279.527,179.654 ; pad.169@287.249,178.511 287.249,185.141 288.798,186.69 291.262,186.69 291.871,187.3 291.871,196.723 pad.160@291.49,197.104
NetM1_8: M1.8 M2.10 M3.8 pad.21@292.506,196.901 pad.25@288.417,175.285 pad.44@278.206,178.587 pad.138 pad.149@239.116,197.282 pad.153@233.934,194.437 U1.79 | length 125
  Top Layer w0.204: M2.10@224.285,196.086 224.283,196.088 225.171,196.088 225.806,195.453 225.806,194.945 226.314,194.437 pad.153@233.934,194.437 ; pad.149@239.116,197.307 241.016,195.406 U1.79@251.813,195.406 261.463,195.406 262.458,194.412 pad.138@266.116,194.412 ; pad.44@278.206,178.587 285.115,178.587 pad.25@288.417,175.285 288.417,167.742 290.881,165.278 292.557,165.278 292.76,165.481 M1.8@292.76,166.484 ; pad.21@292.506,196.901 292.76,197.155 M3.8@292.76,198.488
  Bottom Layer w0.204: pad.153@233.934,194.437 238.811,194.437 239.116,194.742 pad.149@239.116,197.282 ; pad.138@266.116,194.437 266.967,194.437 267.45,194.92 273.253,194.92 275.539,192.634 277.368,192.634 278.206,191.795 pad.44@278.206,178.587 ; pad.25@288.417,175.285 288.417,175.59 288.492,175.665 288.492,183.767 289.355,184.631 289.355,185.749 289.991,186.384 291.565,186.384 292.506,187.325 pad.21@292.506,196.901
NetM1_9: M1.9 M2.9 M3.9 pad.22@293.218,196.875 pad.27@288.874,175.489 pad.43@277.851,179.019 pad.139 pad.161 pad.163 U1.80 | length 123.1
  Top Layer w0.204: M2.9@224.285,197.543 225.494,197.543 226.187,196.85 238.735,196.85 240.678,194.906 U1.80@251.813,194.906 261.506,194.906 262.433,193.98 pad.139@266.344,193.98 ; pad.43@277.851,179.019 285.344,179.019 pad.27@288.874,175.489 pad.161@288.874,168.072 ; pad.22@293.218,196.875 293.218,197.155 293.421,197.358 293.827,197.358 294.03,197.561 M3.9@294.03,198.488 ; pad.163@294.03,165.405 M1.9@294.03,166.484
  Bottom Layer w0.204: pad.139@266.344,193.98 267.106,193.98 267.691,194.564 272.948,194.564 275.361,192.151 277.292,192.151 277.825,191.618 pad.43@277.825,179.019 ; pad.161@288.874,168.072 288.874,167.361 290.83,165.405 pad.163@294.03,165.405 ; pad.27@288.874,175.489 288.874,183.413 289.714,184.253 289.714,185.523 290.246,186.055 291.872,186.055 292.989,187.172 292.989,196.647 pad.22@293.218,196.875
NetM1_10: M1.10 pad.198 pad.199 U1.60 | length 93.8
  Top Layer w0.204: pad.198@261.063,197.613 U1.60@261.063,198.656 ; pad.199@271.882,177.724 284.734,177.724 287.528,174.93 287.528,168.148 290.794,164.882 294.6,164.882 295.3,165.583 M1.10@295.3,166.484
  Bottom Layer w0.204: pad.198@261.063,197.613 261.063,190.882 259.589,189.409 259.589,175.615 259.131,175.156 259.131,165.227 259.817,164.541 262.28,164.541 264.592,166.853 264.592,173.584 263.703,174.473 263.703,175.133 263.982,175.412 271.323,175.412 271.882,175.971 pad.199@271.882,177.724
NetM1_11: M1.11 pad.162 pad.164 pad.191 pad.192 pad.194 pad.195 pad.196 pad.197 U1.67 | length 89.8
  Top Layer w0.204: pad.197@250.875,177.978 251.968,176.885 251.968,175.387 253.467,173.888 pad.196@265.201,173.888 ; pad.194@252.755,192.126 pad.192@255.956,192.126 ; pad.191@255.956,197.637 257.2,197.637 257.563,198 U1.67@257.563,198.656 ; pad.195@271.958,178.156 284.988,178.156 287.934,175.209 pad.164@287.934,168.427 ; pad.162@295.707,164.922 296.57,165.786 M1.11@296.57,166.484
  Bottom Layer w0.204: pad.197@250.875,177.978 250.875,183.413 251.816,184.353 251.816,185.522 252.451,186.157 252.451,191.821 pad.194@252.755,192.126 ; pad.192@255.956,192.126 pad.191@255.956,197.637 ; pad.196@265.201,173.888 271.45,173.888 272.593,175.031 272.593,177.521 pad.195@271.958,178.156 ; pad.164@287.934,168.427 287.934,167.691 290.754,164.871 pad.162@295.707,164.871
NetM2_4: M2.4 pad.1@222.811,204.828 TP1.1 | length 3
  Top Layer w0.204: pad.1@222.811,204.828 M2.4@224.285,204.828
  Bottom Layer w0.204: pad.1@222.811,204.828 TP1.1@224.291,204.828
NetM2_5: M2.5 pad.2@222.853,203.371 TP2.1 | length 2.9
  Top Layer w0.204: pad.2@222.853,203.371 M2.5@224.285,203.371
  Bottom Layer w0.204: pad.2@222.853,203.371 TP2.1@224.291,203.371
NetM2_6: M2.6 pad.3@222.818,201.914 TP3.1 | length 2.9
  Top Layer w0.204: pad.3@222.818,201.914 M2.6@224.285,201.914
  Bottom Layer w0.204: pad.3@222.818,201.914 TP3.1@224.291,201.914
NetM2_7: M2.7 pad.4@222.809,200.457 TP4.1 | length 3
  Top Layer w0.204: pad.4@222.809,200.457 M2.7@224.285,200.457
  Bottom Layer w0.204: pad.4@222.809,200.457 TP4.1@224.291,200.457
NetM2_8: M2.8 pad.5@222.894,199 TP5.1 | length 2.8
  Top Layer w0.204: pad.5@222.894,199 M2.8@224.285,199
  Bottom Layer w0.204: pad.5@222.894,199 TP5.1@224.291,199
NetM2_12: M2.12 pad.145@244.2,186.406 pad.147 R26.1 U1.97 | length 38.1
  Top Layer w0.204: R26.1@222.961,193.243 224.214,193.243 M2.12@224.285,193.172 228.605,193.172 228.854,193.421 235.204,193.421 237.109,195.326 239.319,195.326 240.284,194.361 pad.147@244.069,194.361 ; pad.145@244.2,186.406 U1.97@251.813,186.406
  Bottom Layer w0.204: pad.147@244.069,194.361 244.172,194.257 244.172,186.434 pad.145@244.2,186.406
NetM2_13: M2.13 pad.146@243.818,185.906 pad.148 U1.98 | length 36.5
  Top Layer w0.204: M2.13@224.285,191.715 227.783,191.715 229.062,192.994 235.311,192.994 236.245,193.929 pad.148@243.815,193.929 ; pad.146@243.818,185.906 U1.98@251.813,185.906
  Bottom Layer w0.204: pad.146@243.818,185.906 pad.148@243.818,193.925
NetM2_16: M2.16 pad.152@246.964,192.938 pad.155@246.964,196.825 U1.52 | length 44.3
  Top Layer w0.204: M2.16@228.325,190.515 228.325,191.537 229.27,192.481 238.709,192.481 239.166,192.938 pad.152@246.964,192.938 ; pad.155@246.964,196.825 246.99,196.85 249.326,196.85 249.834,197.358 252.73,197.358 253.465,196.623 264.187,196.623 265.063,197.499 U1.52@265.063,198.656
  Bottom Layer w0.204: pad.152@246.964,192.938 pad.155@246.964,196.825
NetM2_21: M2.21 pad.101@242.113,198.272 pad.104@241.91,189.636 U1.55 | length 40.2
  Top Layer w0.204: M2.21@235.425,190.515 235.425,189.898 235.712,189.611 pad.104@241.91,189.611 ; pad.101@242.113,198.272 247.802,198.272 250.393,200.863 262.712,200.863 263.563,200.013 U1.55@263.563,198.656
  Bottom Layer w0.204: pad.104@241.91,189.636 241.91,198.069 pad.101@242.113,198.272
NetM2_22: M2.22 pad.102@242.392,197.866 pad.103@242.392,190.5 U1.56 | length 36.1
  Top Layer w0.204: M2.22@236.845,190.515 pad.103@242.392,190.515 ; pad.102@242.392,197.866 248.031,197.866 250.722,200.557 262.155,200.557 263.063,199.649 U1.56@263.063,198.656
  Bottom Layer w0.204: pad.103@242.392,190.5 pad.102@242.392,197.866
NetM2_28: M2.28 R66.1 | length 1.3
  Top Layer w0.204: M2.28@238.045,199 R66.1@239.353,199
NetM2_29: M2.29 R64.1 R65.1 | length 2.3
  Top Layer w0.204: M2.29@238.045,200.457 239.37,200.457 ; R65.1@239.37,199.974 239.37,200.457 ; R64.1@239.37,200.939 239.37,200.457
NetM2_33: M2.33 U1.51 | length 42.2
  Top Layer w0.24: M2.33@238.045,206.285 237.352,206.285 237.007,206.629 237.007,208.026 237.465,208.483 238.862,208.483 239.446,207.899 239.446,203.86 241.96,201.346 241.96,199.441 242.782,198.619 247.539,198.619 250.165,201.244 264.922,201.244 265.563,200.604 U1.51@265.563,198.656

## Text inside footprints (layer, text, board x,y; h text height)
U17: Mechanical 27 "1" at 287.583,210.882 h0.51 r90; Mechanical 27 "4" at 287.583,206.182 h0.51 r90; Mechanical 27 "5" at 282.558,206.232 h0.51 r90; Mechanical 27 "8" at 282.558,211.232 h0.51 r90; Bottom Overlay "1" at 287.858,211.107 h0.51 r90
U18: Mechanical 27 "A1" at 283.957,212.735 h0.51 r90
U19: Top Overlay "1" at 244.277,206.425 h0.51 r270
U20: Mechanical 27 "A1" at 249.748,214.036 h0.51 r270